# Allegro board BeagleBoard-xM.brd (continued)
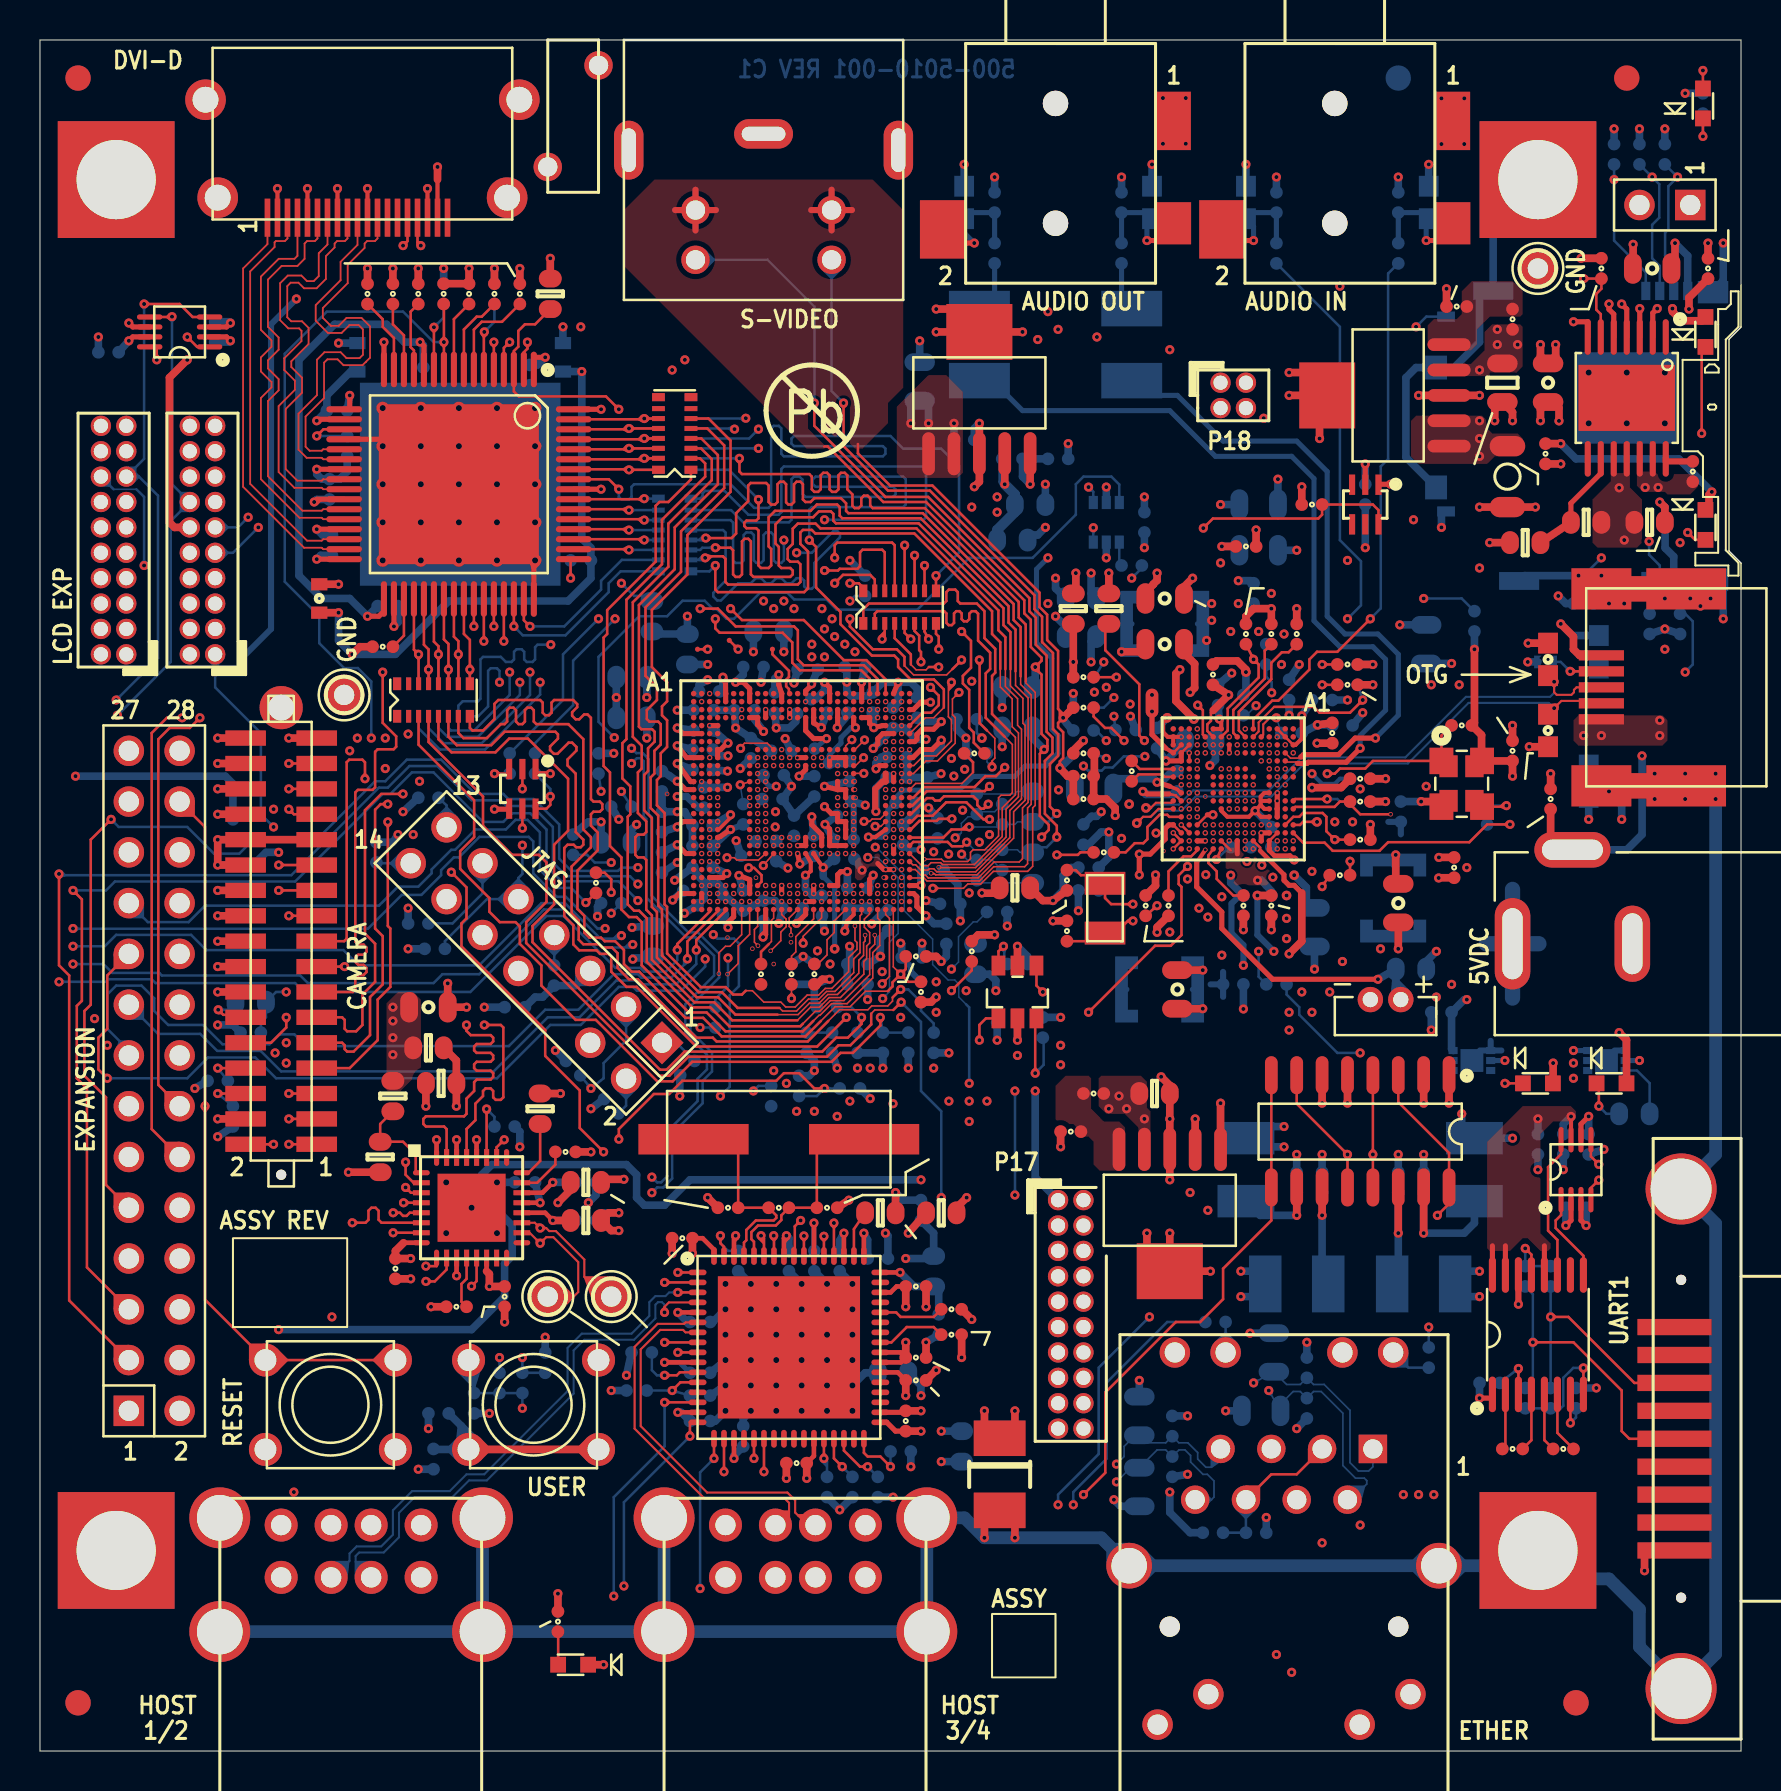
[diagram p0: board, top side]
## Routing (per net, layer and track width the routed paths; a pad name or vN(x,y) marks a point on that pad's centre or on a via; arc(x,y) is an arc through that point) (continued)
USB2HS_CLK: length 32.5
  TOP w0.127: U14.26 22.84,30.2 v1(23.22,30.58)
  LYR3-SIG w0.127: v1(33.02,36.2) 33.02,34.29 32.89,34.16 32.32,34.16 32.19,34.29 32.19,36.39 32.07,36.51 30.8,36.51 29.84,35.56 29.84,34.67 29.97,34.54 30.48,34.54 30.61,34.42 30.61,32.77 30.48,32.64 26.63,32.64 26.51,32.51 26.51,30.58 26.38,30.45 26.12,30.45 26,30.58 26,32.3 25.85,32.45 25.64,32.45 25.49,32.3 25.49,30.73 25.36,30.61 25.11,30.61 24.98,30.73 24.98,32.3 24.83,32.45 24.62,32.45 24.47,32.3 24.47,30.88 24.32,30.73 24.11,30.73 23.97,30.88 23.97,32.32 23.84,32.45 23.35,32.45 23.22,32.32 v1(23.22,30.58)
  BOTTOM w0.127: v1(33.02,36.2) R35.1
USB2HS_DAT0: length 39.3
  TOP w0.127: v1(18.29,28.19) 18.55,27.93 U14.3
  LYR2-GND w0.076: v3(35.5,42.5) 34.79,41.78 34.79,40.93 34.54,40.69 v2(34.39,40.69)
  LYR3-SIG w0.076: 32.33,40.49 33.17,40.49 33.43,40.23 33.93,40.23 v2(34.39,40.69)
  LYR3-SIG w0.127: 32.33,40.49 31.7,40.49 31.11,39.9 31.11,38.48 30.99,38.35 30.67,38.35 30.47,38.55 28.42,38.55 27.77,37.91 25.93,37.91 25.81,37.78 25.81,37.53 25.93,37.4 27.74,37.4 27.86,37.27 27.86,37.02 27.74,36.89 26.04,36.89 25.91,36.77 25.91,35.69 25.78,35.56 25.34,35.56 25.21,35.43 25.21,35.18 25.08,35.05 24.31,35.05 23.75,34.49 23.75,33.85 23.62,33.72 23.35,33.72 23.22,33.85 23.22,34.95 23.09,35.08 22.84,35.08 22.71,34.95 22.71,33.87 22.56,33.72 21.65,33.72 21.53,33.59 21.53,31.88 21.4,31.75 20.38,31.75 20.26,31.88 20.26,32.83 20.13,32.96 19.88,32.96 19.75,32.83 19.75,31.97 19.62,31.84 18.63,31.84 17.87,31.08 17.87,28.3 17.97,28.19 v1(18.29,28.19)
USB2HS_DAT1: length 39.1
  TOP w0.076: v2(34.39,38.86) 34.92,39.4 34.92,40.28 35.5,40.86 U4.AH8
  TOP w0.127: U14.4 v1(18.19,27.43)
  LYR3-SIG w0.127: v1(18.19,27.43) 19.63,27.43 19.76,27.56 19.76,30.02 19.89,30.15 20.95,30.15 21.08,30.02 21.08,29.46 21.21,29.34 21.54,29.34 21.67,29.46 21.67,30.02 21.79,30.15 22.1,30.15 22.22,30.02 22.22,29.46 22.35,29.34 22.67,29.34 22.8,29.46 22.8,32.83 22.92,32.96 25.41,32.96 25.77,33.31 27.05,33.31 27.18,33.44 27.18,33.66 27.05,33.78 25.78,33.78 25.65,33.91 25.65,34.16 25.78,34.29 27.69,34.29 27.81,34.16 27.81,33.58 27.94,33.45 28.19,33.45 28.32,33.58 28.32,34.48 28.45,34.61 29.15,34.61 29.34,34.8 29.34,35.75 30.48,36.89 33.46,36.89 33.59,36.77 33.59,36.2 33.72,36.07 33.97,36.07 34.1,36.2 34.1,38.04 34.39,38.33 v2(34.39,38.86)
USB2HS_DAT2: length 39.3
  TOP w0.127: v1(17.66,26.93) 18,26.93 18.16,26.77 18.34,26.77 18.5,26.93 U14.5
  LYR3-SIG w0.076: 30.76,45.05 31.22,45.05 31.45,44.82 32.17,44.82 32.36,45.01 32.54,45.01 32.66,44.88 32.66,44.63 32.79,44.5 v2(33.1,44.5)
  LYR3-SIG w0.127: 30.76,45.05 28.41,45.05 26.77,43.41 26.77,42.32 27.11,41.97 27.11,40.92 26.99,40.79 26.8,40.79 26.68,40.91 26.68,41.72 26.55,41.85 25.34,41.85 24.73,41.24 24.73,40.23 24.51,40.01 23.49,40.01 22.89,39.4 22.89,38.61 22.76,38.48 22.1,38.48 21.97,38.35 21.97,37.78 21.84,37.66 21.17,37.66 20.83,37.31 20.83,35.31 21.15,34.99 21.15,32.83 21.02,32.7 20.83,32.7 20.7,32.83 20.7,34.8 20.57,34.92 20.38,34.92 20.26,34.8 20.26,33.5 20.13,33.37 19.65,33.37 17.46,31.18 17.46,27.51 17.66,27.31 v1(17.66,26.93)
USB2HS_DAT3: length 39.3
  TOP w0.127: v1(15.62,26.43) 16.28,26.43 16.43,26.58 16.43,27.03 16.58,27.18 16.79,27.18 16.94,27.03 16.94,26.58 17.09,26.43 U14.6
  LYR3-SIG w0.076: v2(33.5,46.1) 32.24,47.36 31.5,47.36
  LYR3-SIG w0.127: 31.5,47.36 28.18,47.36 25.21,44.39 23.46,44.39 19.53,40.46 19.53,39.52 19.1,39.09 19.1,37.21 18.97,37.08 18.36,37.08 18.24,36.96 18.24,36.7 18.36,36.58 18.95,36.58 19.08,36.45 19.08,36.2 18.95,36.07 18.41,36.07 18.29,35.94 18.29,34.54 15.88,32.13 15.88,26.68 v1(15.62,26.43)
USB2HS_DAT4: length 39.1
  TOP w0.127: U14.7 v1(17.66,25.93)
  LYR3-SIG w0.076: v2(33.1,45.3) 32.69,45.71 31.62,45.71 31.47,45.55 30.76,45.55
  LYR3-SIG w0.127: v1(17.66,25.93) 18.41,25.93 18.54,25.8 18.54,25.5 18.41,25.37 17.49,25.37 16.83,26.03 16.83,31.56 19.43,34.16 19.43,35.05 20.12,35.74 20.12,37.53 20.92,38.34 21.11,38.34 21.23,38.46 21.23,39.88 21.36,40.01 21.54,40.01 21.67,39.88 21.67,39.37 21.79,39.24 22,39.24 22.12,39.37 22.12,39.62 22.25,39.75 22.48,39.75 23.44,40.72 23.44,41 22.62,41.82 22.62,42 22.78,42.16 22.96,42.16 23.75,41.38 24.04,41.38 25.13,42.47 25.83,42.47 26.04,42.67 26.04,43.69 27.9,45.55 30.76,45.55
USB2HS_DAT5: length 39.2
  TOP w0.127: U14.9 19.84,24.26 v1(19.3,24.26)
  LYR3-SIG w0.076: v2(33.5,45.3) 32.65,46.15 32.36,46.15 32.07,45.86 31.13,45.86 31.08,45.81 30.76,45.81
  LYR3-SIG w0.127: v1(19.3,24.26) 19.3,24.92 19.15,25.07 17.31,25.07 16.51,25.87 16.51,31.75 19.05,34.29 19.05,35.13 19.79,35.86 19.79,38.79 19.91,38.91 20.7,38.91 20.83,39.04 20.83,39.34 20.7,39.47 20.27,39.47 20.14,39.6 20.14,40.18 23.59,43.62 24.38,43.62 25.16,42.85 25.53,42.85 25.68,43 25.68,43.84 27.65,45.81 30.76,45.81
USB2HS_DAT6: length 39.3
  TOP w0.127: U14.10 20.34,24.09 19.75,23.49 v1(19.3,23.49)
  LYR3-SIG w0.076: 31.56,46.61 32.59,46.61 v2(33.9,45.3)
  LYR3-SIG w0.127: v1(19.3,23.49) 18.67,24.13 17.79,24.13 16.19,25.73 16.19,31.94 18.67,34.42 18.67,35.23 19.43,35.99 19.43,38.91 19.84,39.32 19.84,40.31 23.53,44.01 25.34,44.01 27.39,46.06 29,46.06 29.68,46.75 31.42,46.75 31.56,46.61
USB2HS_DAT7: length 39.1
  TOP w0.127: U14.13 21.84,23.51 v1(21.59,23.25)
  LYR3-SIG w0.076: v2(33.5,44.9) 33.02,44.9 32.64,45.28 32.33,45.28 32.03,44.97 31.61,44.97 31.28,45.3 30.76,45.3
  LYR3-SIG w0.127: 30.76,45.3 28.16,45.3 26.42,43.56 26.42,42.48 26.1,42.16 25.25,42.16 24.38,41.3 24.38,40.51 24.26,40.39 23.49,40.39 22.54,39.43 22.54,38.99 22.42,38.86 21.92,38.86 21.65,38.6 21.65,38.16 21.53,38.04 21.09,38.04 20.45,37.39 20.45,35.56 19.81,34.92 19.81,34.04 17.14,31.37 17.14,26.67 17.4,26.42 18.54,26.42 20.35,24.61 20.35,24.13 19.99,23.77 19.99,23.48 20.38,23.09 20.79,23.09 20.95,23.25 v1(21.59,23.25)
USB2HS_DIR: length 39.2
  TOP w0.127: v1(21.34,36.32) 21.34,36.03 21.55,35.81 22.54,35.81 22.67,35.69 22.67,35.5 22.54,35.37 21.84,35.37 21.72,35.24 21.72,35.05 21.84,34.92 22.54,34.92 22.67,34.8 22.67,34.61 22.54,34.48 21.84,34.48 21.72,34.35 21.72,34.16 21.84,34.04 22.54,34.04 22.67,33.91 22.67,33.72 22.54,33.59 21.84,33.59 21.72,33.46 21.72,33.02 21.34,32.64 21.34,31.88 21.21,31.75 19.3,31.75 19.18,31.62 19.18,31.37 19.3,31.24 20.21,31.24 20.34,31.12 U14.31
  LYR3-SIG w0.076: v2(35.1,42.5) 34.05,41.45 34.05,40.67 33.86,40.47 33.49,40.47 33.17,40.79 32.03,40.79
  LYR3-SIG w0.127: 32.03,40.79 31.5,40.79 30.73,40.03 30.28,40.03 30.15,39.9 30.15,39.04 30.02,38.91 28.65,38.91 28.5,39.07 28.5,39.88 28.37,40.01 27.08,40.01 26.44,39.36 26.44,38.5 26.29,38.35 25.78,38.35 25.4,37.97 25.4,36.86 25.27,36.73 24.96,36.73 24.83,36.6 24.83,35.62 24.7,35.5 24.28,35.5 24.05,35.27 23.7,35.27 23.47,35.5 22.42,35.5 22.29,35.37 22.29,34.29 22.16,34.16 21.91,34.16 21.78,34.29 21.78,35.88 v1(21.34,36.32)
USB2HS_NRST: length 43.7
  TOP w0.076: v2(42.2,43.7) 42.21,43.7 U4.AD25
  TOP w0.127: U14.27 v1(22.34,32.12)
  LYR3-SIG w0.076: v2(42.2,43.7) 42.2,43.96 42.47,44.22 42.75,44.22 42.85,44.33 43.2,44.33 43.66,43.87 44.48,43.87 45.03,43.31 45.03,41.2 46.23,40.01 46.23,38.8 46.77,38.26 46.77,37.8
  LYR3-SIG w0.127: 46.77,37.8 46.77,37.62 45.92,36.78 45.92,34.19 45.47,33.73 v1(45.47,32.51)
  LYR4-SIG w0.127: v1(22.34,32.12) 22.72,32.12 23.82,31.03 30.43,31.03 30.7,30.76 40.03,30.76 40.64,31.37 42.29,31.37 43.18,32.26 45.21,32.26 v1(45.47,32.51)
  BOTTOM w0.127: v1(22.34,32.12) 22.73,31.73 R103.1
USB2HS_NXT: length 39.2
  TOP w0.076: U4.AH7 35.1,40.84 34.52,40.26 34.29,40.26 33.96,39.93 v2(33.96,38.89)
  TOP w0.127: U14.2 18.69,28.43 18.29,28.83 v1(18.29,29.46)
  LYR3-SIG w0.127: v2(33.96,38.89) 33.96,38.47 33.59,38.1 33.59,37.4 33.46,37.27 33.17,37.27 33.04,37.4 33.04,38.35 32.91,38.48 32.66,38.48 32.53,38.35 32.53,37.4 32.38,37.26 32.13,37.26 32,37.38 32,38.35 31.88,38.48 31.62,38.48 31.5,38.35 31.5,37.38 31.37,37.26 30.48,37.26 30.35,37.38 30.35,38.09 30.23,38.21 28.64,38.21 28.32,37.9 28.32,36.77 28.96,36.13 28.96,35.95 28.79,35.78 28.61,35.78 27.94,36.45 26.61,36.45 26.48,36.32 26.48,34.76 26.35,34.63 25.34,34.63 25.21,34.51 25.21,33.46 25.08,33.34 24.83,33.34 24.7,33.46 24.7,34.48 24.57,34.61 24.32,34.61 24.19,34.48 24.19,33.46 24.07,33.34 22.03,33.34 21.91,33.21 21.91,31.24 21.78,31.12 19.05,31.12 18.29,30.35 v1(18.29,29.46)
USB2HS_STP: length 39.1
  TOP w0.127: U14.29 21.34,31.12 21.78,31.56 21.78,32.38 22.16,32.77 22.16,33.02 22.29,33.15 22.54,33.15 22.67,33.02 22.67,32.7 22.8,32.58 23.05,32.58 23.18,32.7 23.18,36.2 23.05,36.32 v1(22.22,36.32)
  LYR3-SIG w0.076: 31.29,41.53 31.78,41.53 31.92,41.39 32.6,41.39 33.58,42.37 33.58,42.99 33.73,43.14 34.07,43.14 34.21,43.01 34.43,43.01 34.54,43.13 34.87,43.13 v2(35.1,42.9)
  LYR3-SIG w0.127: 31.29,41.53 30.7,41.53 30.61,41.62 29.32,41.62 28.66,40.97 28.66,40.53 28.52,40.39 26.64,40.39 26.04,39.78 26.04,38.86 25.91,38.73 25.65,38.73 25.53,38.86 25.53,39.78 25.4,39.9 25.15,39.9 25.02,39.78 25.02,38.26 24.83,38.07 22.54,38.07 22.42,37.95 22.42,37.72 22.54,37.59 24.82,37.59 24.94,37.46 24.94,37.25 24.82,37.12 22.76,37.12 22.63,36.99 22.63,36.73 22.76,36.6 24.38,36.6 24.51,36.47 24.51,36.07 24.38,35.94 22.61,35.94 v1(22.22,36.32)
USB33_ID: length 2.7
  TOP w0.127: U14.23 24.87,28.43 25.78,29.34 R100.1
USB33_RBIAS: length 3
  TOP w0.127: R102.1 25.02,29.51 24.43,28.93 U14.24
USB33_VBUS: length 2.9
  TOP w0.229: U14.22 25.13,27.93 v1(25.65,28.45)
  BOTTOM w0.381: R99.1 v1(25.65,28.45)
USB33_VDD3.3: length 3.7
  TOP w0.229: U14.20 25.27,26.93 v1(25.65,26.54)
  TOP w0.381: C166.1 v1(25.65,26.54)
  BOTTOM w0.381: C165.1 v1(25.65,26.54)
USB_1V8: length 118.7
  TOP w0.381: C128.1 57.23,54.93 57.76,54.39 57.76,53.19 v1(57.53,52.96)
  LYR2-GND w0.203: v1(57.53,52.96) 57.91,52.96 58.42,52.45 58.42,50.46 v3(58.29,50.33)
  LYR3-SIG w0.381: v1(14.61,21.72) 14.61,30.76 15.3,31.46 15.3,32.49 v1(17.65,34.84) v1(17.65,35.69) v1(17.65,36.53) v1(17.65,37.21) ; v1(70.61,38.35) 71.37,39.12 71.37,43.18 72.01,43.81 72.01,45.72 71.37,46.36 71.37,51.56 v1(69.6,53.34)
  LYR4-SIG w0.305: 63.87,53.85 67.06,53.85
  LYR4-SIG w0.381: v1(70.61,38.35) 69.6,39.37 66.85,39.37 62.5,35.01 53.53,35.01 50.65,32.13 48.13,32.13 46.74,30.73 44.07,30.73 42.67,29.34 30.3,29.34 29.84,28.88 29.84,28.19 29.34,27.69 28.7,27.69 25.78,24.77 23.75,24.77 23.11,24.13 23.11,22.61 21.59,21.08 15.24,21.08 v1(14.61,21.72) ; 63.87,53.85 62.36,52.34 61.61,52.34 60.83,51.56 59.94,51.56 58.55,52.96 v1(57.53,52.96) ; 67.06,53.85 69.09,53.85 v1(69.6,53.34)
USB_1V8F: length 11.6
  TOP w0.229: U14.28 v1(21.84,30.58) ; U14.11 v1(20.84,23.77) ; U14.30 v1(20.84,30.58) ; 22.34,24 U14.14 ; U14.32 v1(19.84,30.58) ; 18.19,25.43 U14.8
  TOP w0.381: 22.34,24 22.48,23.86 v1(22.48,23.24) C206.1 ; v1(18.54,24.64) C164.1 17.78,25.02 18.19,25.43 ; R159.1 20.83,34.54 C205.1 v1(20.83,32.26)
USB_CLK: length 6.9
  LYR3-SIG w0.076: v1(34.42,39.67) 34.42,40.34 34.8,40.72 34.8,41.85 35.37,42.42 35.37,43.03 v2(35.1,43.3)
  BOTTOM w0.127: R35.2 33.78,37.62 34.42,38.25 v1(34.42,39.67)
USBDM0: length 20.7
  TOP w0.104: TP6.1 28.22,22.73 27.23,23.72 27.23,24.59 25.81,26.01 25.48,26.01 25.32,26.16 v1(25.02,26.16) 24.75,26.43 U14.19
  TOP w0.127: U15.58 36.72,25.77 v1(36.7,25.78)
  LYR3-SIG w0.104: v1(25.02,26.16) 25.12,26.06 25.76,26.06 26.29,25.53 30.68,25.53 31.78,26.62 35.07,26.62 35.24,26.8 36.17,26.8 36.6,26.37 36.6,25.88 v1(36.7,25.78)
USBDM2: length 26
  TOP w0.127: U15.1 v1(31.91,23.94)
  LYR3-SIG w0.104: v1(31.91,23.94) 31.54,23.99 31.47,24.08 31.38,24.17 30.62,24.17 29.95,23.49 29.95,22.1 28.98,21.13 27.31,21.13 26.49,20.32 26.49,18.29 21.89,13.69 20.98,13.69 20.45,13.16 16,13.16 15.42,12.57 15.42,12.16 P14.A2
USBDM3: length 26.8
  TOP w0.127: U15.3 v1(31.91,22.94)
  BOTTOM w0.104: v1(31.91,22.94) 31.47,22.94 31.29,22.76 30.79,22.76 30.48,22.45 30.48,21.77 29.59,20.88 27.1,20.88 26.39,20.17 26.39,18.01 22.22,13.84 21.34,13.84 20.5,13 18.62,13 17.65,12.04 17.65,10.82 17.07,10.24 15.84,10.24 15.48,9.88 15.48,9.51 14.66,8.69 P14.B2
USBDM4: length 18.4
  TOP w0.104: P16.A2 37.47,11.98 37.47,12.42 37.26,12.62 33.25,12.62 29.74,16.13 29.74,20.22 30.9,21.37 32.22,21.37 32.29,21.44 U15.6
USBDM5: length 18
  TOP w0.127: U15.8 v1(31.24,20.44)
  LYR3-SIG w0.104: P16.B2 37.5,9.39 37.5,9.6 37.19,9.91 36.12,9.91 35.38,10.64 35.38,11.99 34.2,13.17 33.69,13.17 30.33,16.54 30.33,19.66 30.83,20.16 30.95,20.16 v1(31.24,20.44)
USBDP0: length 20.7
  TOP w0.104: U14.18 24.49,25.93 v1(25.02,25.4) 25.32,25.7 25.68,25.7 26.92,24.46 26.92,22.96 26.7,22.73 TP7.1
  TOP w0.127: U15.59 36.22,25.63 v1(36.07,25.78)
  LYR3-SIG w0.104: v1(36.07,25.78) 36.3,26.01 36.3,26.24 36.05,26.49 35.37,26.49 35.19,26.32 31.9,26.32 30.81,25.22 26.16,25.22 25.63,25.76 25.37,25.76 v1(25.02,25.4)
USBDP2: length 25.9
  TOP w0.127: U15.2 v1(31.24,23.44)
  LYR3-SIG w0.104: P14.A3 16.51,11.3 15.72,12.09 15.72,12.45 16.13,12.85 20.57,12.85 21.11,13.39 22.02,13.39 26.8,18.16 26.8,20.19 27.43,20.83 29.11,20.83 30.25,21.97 30.25,23.37 30.75,23.86 31.25,23.86 31.29,23.81 v1(31.24,23.44)
USBDP3: length 26.9
  TOP w0.104: U15.4 31.46,22.44 31.24,22.23 v1(31.24,21.94)
  BOTTOM w0.104: P14.B3 15.79,9.46 15.79,9.75 15.97,9.93 17.2,9.93 17.96,10.7 17.96,11.91 18.74,12.7 20.62,12.7 21.46,13.54 22.35,13.54 26.7,17.88 26.7,20.04 27.23,20.57 29.72,20.57 30.78,21.64 30.78,22.33 30.91,22.45 31.11,22.45 31.24,22.33 v1(31.24,21.94)
USBDP4: length 18.3
  TOP w0.104: P16.A3 38.31,11.79 37.92,11.79 37.77,11.93 37.77,12.54 37.39,12.93 33.38,12.93 30.05,16.25 30.05,20.09 31.02,21.07 32.17,21.07 32.29,20.94 U15.7
USBDP5: length 17.9
  TOP w0.127: U15.9 v1(31.91,19.94)
  LYR3-SIG w0.104: P16.B3 38.79,8.69 38.4,9.07 37.92,9.07 37.8,9.19 37.8,9.73 37.32,10.21 36.25,10.21 35.69,10.77 35.69,12.12 34.33,13.47 33.82,13.47 30.63,16.66 30.63,19.53 30.95,19.85 31.09,19.85 31.27,20.04 31.81,20.04 v1(31.91,19.94)
USBLED_R: length 1.7
  TOP w0.127: R136.2 25.92,5.96 D14.1
USER_SW: length 9.8
  LYR4-SIG w0.127: v1(24.13,17.14) 26.54,19.56 S1.1
  BOTTOM w0.127: S1.2 21.72,19.28 R145.1 R149.2 R148.1 v1(24.13,17.14)
USR0_LED: length 2.7
  TOP w0.127: Q1.6 25.34,47.14 25.53,47.33 v1(25.53,47.75)
  BOTTOM w0.127: v1(25.53,47.75) 25.53,48.13 R39.1
USR0_LED_R: length 83.3
  TOP w0.127: v1(83.12,65.91) 83.12,70.05 D6.1
  LYR3-SIG w0.127: v1(32.26,69.6) 32.26,68.83 30.73,67.31 30.73,64.07 28.45,61.79 28.45,56.96 v1(28.77,56.64)
  LYR4-SIG w0.127: v1(83.12,65.91) 82.04,65.91 79.76,63.63 79.76,63.12 79.15,62.51 76.17,62.51 75.06,63.63 71.25,63.63 69.22,65.66 65.06,65.66 64.64,65.24 57.7,65.24 56.52,66.42 49.02,66.42 47.39,68.05 44.22,68.05 42.67,69.6 v1(32.26,69.6)
  BOTTOM w0.127: v1(28.77,56.64) 26.67,54.55 26.67,52.32 24.76,50.42 R39.2
USR1_LED: length 1.7
  TOP w0.127: Q1.3 23.47,48.9 v1(22.73,48.9)
  BOTTOM w0.127: R40.1 v1(22.73,48.9)
USR1_LED_R: length 78.1
  TOP w0.127: v1(82.42,60.96) 82.79,60.59 D7.1
  LYR3-SIG w0.127: v1(31.62,69.09) 28.51,65.98 28.51,62.42 27.94,61.85 v1(27.94,56.64)
  LYR4-SIG w0.127: v1(31.62,69.09) 42.42,69.09 43.94,67.56 47.24,67.56 48.9,65.91 56.39,65.91 57.4,64.9 64.77,64.9 65.15,65.28 68.83,65.28 70.99,63.12 74.93,63.12 75.92,62.13 79.22,62.13 79.5,61.85 81.53,61.85 v1(82.42,60.96)
  BOTTOM w0.127: v1(27.94,56.64) 26.16,54.86 26.16,52.58 R40.2
USRBIAS: length 2.5
  TOP w0.127: U15.63 34.22,25.22 34.04,25.4 v1(34.04,25.78)
  BOTTOM w0.127: R109.2 34.42,25.02 34.04,25.4 v1(34.04,25.78)
VDAC_1V8: length 43.9
  TOP w0.127: 58.69,52.06 58.57,51.94 58.57,51.54 58.39,51.36 58.39,51.03 U7.L2
  TOP w0.203: U4.V25 41.78,45.72 v1(41.44,45.72)
  TOP w0.381: 58.69,52.06 v1(59.46,52.83) 58.67,53.34
  LYR3-SIG w0.254: v1(59.46,52.83) 59.46,53.39 59.13,53.72 59.13,54.12 60.07,55.06 60.07,56.39 59.46,57 59.46,59.03 v1(59.05,59.44)
  LYR4-SIG w0.254: v1(50.42,59.69) 50.93,60.2 54.56,60.2 55.04,59.72 55.78,59.72 56.01,59.94 58.55,59.94 v1(59.05,59.44)
  BOTTOM w0.254: v1(41.44,45.72) 42.1,45.72 42.42,46.04 42.42,47.05 C75.1 42.8,47.69 43.18,48.07 45.97,48.07 46.66,48.76 48.76,48.76 49.28,49.28 50.29,49.28 50.93,49.91 50.93,50.8 50.61,51.12 50.61,54.67 49.85,55.44 49.85,59.12 v1(50.42,59.69)
VIO_1V8: length 111.1
  TOP w0.254: v1(34.96,43.8) 35.5,43.6 U4.AE8 U4.AF8 ; v3(37.9,44.9) v1(38.01,44.37) ; U10.3 77.08,26.55 v1(77.34,26.29) ; v1(4.45,71.44) 4.64,71.24 U12.6 ; v1(9.53,71.44) 9.33,71.24 U12.3 ; v1(41.68,50.15) 41.91,50.38 41.91,50.65 42.16,50.9 U4.F25 U4.F26 ; v1(34.35,43.9) 34.16,43.7 33.9,43.7 ; 33.9,43.7 U4.AD4 ; 33.9,43.7 33.5,43.7 U4.AD3 ; U4.AF23 U4.AE23 41.5,43.61 v1(41.68,43.81) ; v3(38.7,43.3) 38.7,43.3 v3(38.7,42.9) ; U4.W4 34.04,45.75 v1(34.54,46.1)
  TOP w0.381: v1(44.83,37.72) 44.58,37.46 R36.2 ; v1(73.66,48.77) C85.1 Y1.4 72.11,49.56 72.11,50.83 R55.2 71.75,51.44 v1(71.75,55.12) ; C136.1 57.23,58.24 v1(57.66,58.67) ; C107.1 65.09,48.2 v4(63.63,48.2) ; R138.1 v1(63.12,63.25) ; R61.1 v1(66.55,46.36) ; R84.1 v1(25.53,74.68) ; v1(47.75,40.83) 46.93,40.83 R21.1 ; U5.5 v1(48.9,35.56) ; v1(47.12,42.93) 47.13,42.91 47.74,42.91 C77.1 ; v1(57.02,54.1) 56.82,53.9 56.82,52.53 v4(57.72,51.63)
  LYR2-GND w0.127: 38.81,42.37 38.81,42.65 v3(38.7,42.9) ; 39.54,42.5 39.14,42.9 v3(38.7,42.9) ; v3(57.89,50.33) 58.17,50.61 58.17,51.5 58.04,51.63 v4(57.72,51.63) ; v3(38.7,42.9) 38.7,42.9 v3(38.7,43.3) 38.7,44.03 38.35,44.37 v1(38.01,44.37) ; v3(37.9,44.9) 37.97,45 38.56,45.6 v3(38.7,45.7) ; 38.61,40.59 38.61,40.34 38.51,40.19 v1(38.18,39.75)
  LYR2-GND w0.203: 38.61,40.59 38.52,40.68 38.52,41.21 38.81,41.5 38.81,42.37
  LYR2-GND w0.254: 39.54,42.5 v3(40.3,42.5) 40.3,42.21 39.75,41.66 39.75,40.84 40.34,40.26 v1(40.5,40.26) ; v1(44.32,50.61) 44.13,50.61 43.62,50.1 v3(43.5,50.1) ; v1(38.01,44.37) 37.9,44.55 v3(37.9,44.9) ; v3(43.1,42.5) 43.1,42.16 43.31,41.96 43.31,40.64 v1(43.05,40.41)
  LYR3-SIG w0.381: v4(63.63,48.2) 63.49,48.33 v2(61.89,48.33)
  LYR5-PWR w0.305: P3.5 27.52,39.97 ; P3.5 28.46,39.03 ; P3.5 27.52,38.08 ; P3.5 26.58,39.03 ; 6.83,54.86 P13.2 7.49,54.2 ; P9.1 5.39,17.02 ; P9.1 4.45,16.08 ; P9.1 3.5,17.02 ; P9.1 4.45,17.96
  BOTTOM w0.305: R17.2 v1(34.54,46.1) ; C67.2 43.56,39.24 43.56,38.99 R125.2
  BOTTOM w0.381: v1(43.05,40.41) 43.1,40.36 C67.2 ; R26.2 v1(18.41,42.16) ; v1(40.5,40.26) 40.5,39.48 C76.1 C78.1 ; R145.2 v1(22.48,16.89) ; C62.2 v1(34.35,43.9) ; v1(52.58,58.93) 52.58,57.91 R66.1 ; C69.1 v1(38.01,44.37) ; R37.2 R38.2 v1(42.16,34.16) ; C8.1 24.76,37.72 25.15,37.72 R28.2 26.79,38.29 P3.5 ; C147.2 v1(77.34,26.29) ; P17.1 49.78,28.7 v1(49.78,33.02) ; v1(48.9,35.56) C12.2 ; v1(48.39,41.27) 48.38,41.54 48.39,41.97 ; C65.2 v1(34.96,43.8) ; v1(41.68,50.15) 42.67,51.14 C61.2 43.24,51.18 43.82,50.61 v1(44.32,50.61) ; R126.2 v1(41.53,32.64) ; R124.1 9.65,36.32 v1(8.89,36.32) ; C64.2 v1(41.68,43.81) ; 19.43,16.89 v1(19.43,16.13) ; C66.2 v1(34.54,46.1) ; R27.1 v1(18.41,40.13) ; R155.1 v1(7.75,33.15) ; v1(9.53,71.44) 9.46,71.5 C159.2 ; C45.2 v1(38.18,39.75) C63.2 ; 20.19,73.41 v1(20.19,74.17) ; R24.1 17.65,45.47 v1(17.91,45.85) ; R160.1 v1(8.89,30.73) ; v1(40.51,59.56) R20.1 ; C204.1 v1(55.25,60.2) ; v1(39.88,34.16) R127.2 ; v1(18.16,46.99) R25.1 ; U18.5 v1(53.34,59.69) ; v1(47.75,40.83) 47.24,40.83 C55.1 ; v1(32,32.77) 32,33.78 R30.1 ; R130.1 v1(69.6,36.07) ; R81.1 v1(78.23,30.1) ; R29.1 v1(25.78,35.05) ; v1(52.58,54.48) 52.58,55.5 R67.1 ; R135.2 v1(71.75,55.12) ; v1(51.05,36.7) R42.1 ; R62.1 v1(51.69,52.91)
  vias: v1(58.61,57.4) v1(59.94,57.4) v1(60.96,56.01)
VMMC2: length 40.4
  TOP w0.381: C127.1 v1(63.88,50.42)
  LYR2-GND w0.305: v3(62.69,49.93) 62.84,49.93 63.32,50.42 v1(63.88,50.42)
  LYR3-SIG w0.381: v1(63.88,50.42) 64.9,50.42 65.7,49.62 67.48,49.62 68.49,48.6 68.49,39.79 67.89,39.19 66.67,39.19 65.41,37.92 65.41,36.7 59.56,30.86 59.56,28.19 v1(58.42,27.05)
  LYR4-SIG w0.381: v1(58.42,27.05) 56.01,27.05 55.5,27.56 P17.2
VRTC: length 1.5
  TOP w0.127: v1(58.85,44.6) U7.K16
  BOTTOM w0.127: C134.1 59.48,45.21 v1(58.85,44.6)
VUSB.3P1: length 6.3
  LYR2-GND w0.076: v3(57.49,47.93) 56.89,47.93 56.67,48.16 56.67,48.29 56.12,48.83 54.88,48.83 54.86,48.84
  LYR2-GND w0.127: 54.86,48.84 54.1,49.61 54.1,49.78 v1(53.34,50.55)
  BOTTOM w0.127: v1(53.34,50.55) 52.83,51.05 C131.1
XI: length 11
  TOP w0.127: U15.61 35.22,25.44 35.33,25.55 35.33,26.06 35.81,26.54 36.7,26.54 36.83,26.67 36.83,26.8 36.45,27.18 C178.1 34.92,30.61 Y4.1
XO: length 10.8
  TOP w0.127: Y4.2 39.12,30.61 38.86,30.35 C179.1 R112.2 37.08,26.8 37.08,26.56 36.81,26.29 35.92,26.29 35.59,25.96 35.59,25.61 35.72,25.48 U15.60
N18763702: length 10.5
  TOP w0.381: S1.3 S1.4
  BOTTOM w0.381: R146.1 21.08,16.26 21.08,15.44 S1.4 19.84,15.09 R147.1
N21663316: length 9.1
  TOP w0.381: 13.84,45.59 v1(8.89,45.59) v1(8.89,44.32) 10.29,44.32
  BOTTOM w0.381: R151.1 v1(8.89,44.32) ; R154.1 v1(8.89,45.59)
N24685157: length 40.3
  TOP w0.127: U2.6 78.07,71.88 77.85,72.11 77.85,72.9 78.11,73.15 R8.2 v1(77.22,73.66)
  LYR3-SIG w0.127: v1(52.87,70.74) 52.87,62.16 52.69,61.98 v1(52.69,61.2)
  LYR4-SIG w0.127: v1(77.22,73.66) 77.22,73.02 75.95,71.75 72.45,71.75 71.44,70.74 v1(52.87,70.74)
  BOTTOM w0.127: U18.6 v1(52.69,61.2)
N25696196: length 2.4
  TOP w0.127: D13.1 77.98,33.29 v1(77.98,32.26)
  BOTTOM w0.127: v1(77.98,32.26) 78.36,31.88 R121.2
N26443179: length 7.9
  LYR2-GND w0.076: v3(33.9,46.5) 33.9,46.72 33.71,46.91 32.47,46.91 32.03,47.36 31.64,47.36 31.37,47.62 v2(31.37,47.88)
  LYR3-SIG w0.127: v2(31.37,47.88) 30.86,47.88 30.59,47.61 28.46,47.61 v1(28.07,48.01)
  BOTTOM w0.127: C210.2 v1(28.07,48.01)